# Altium PCB PCB1.PcbDoc (part 1 of 3) (continued)
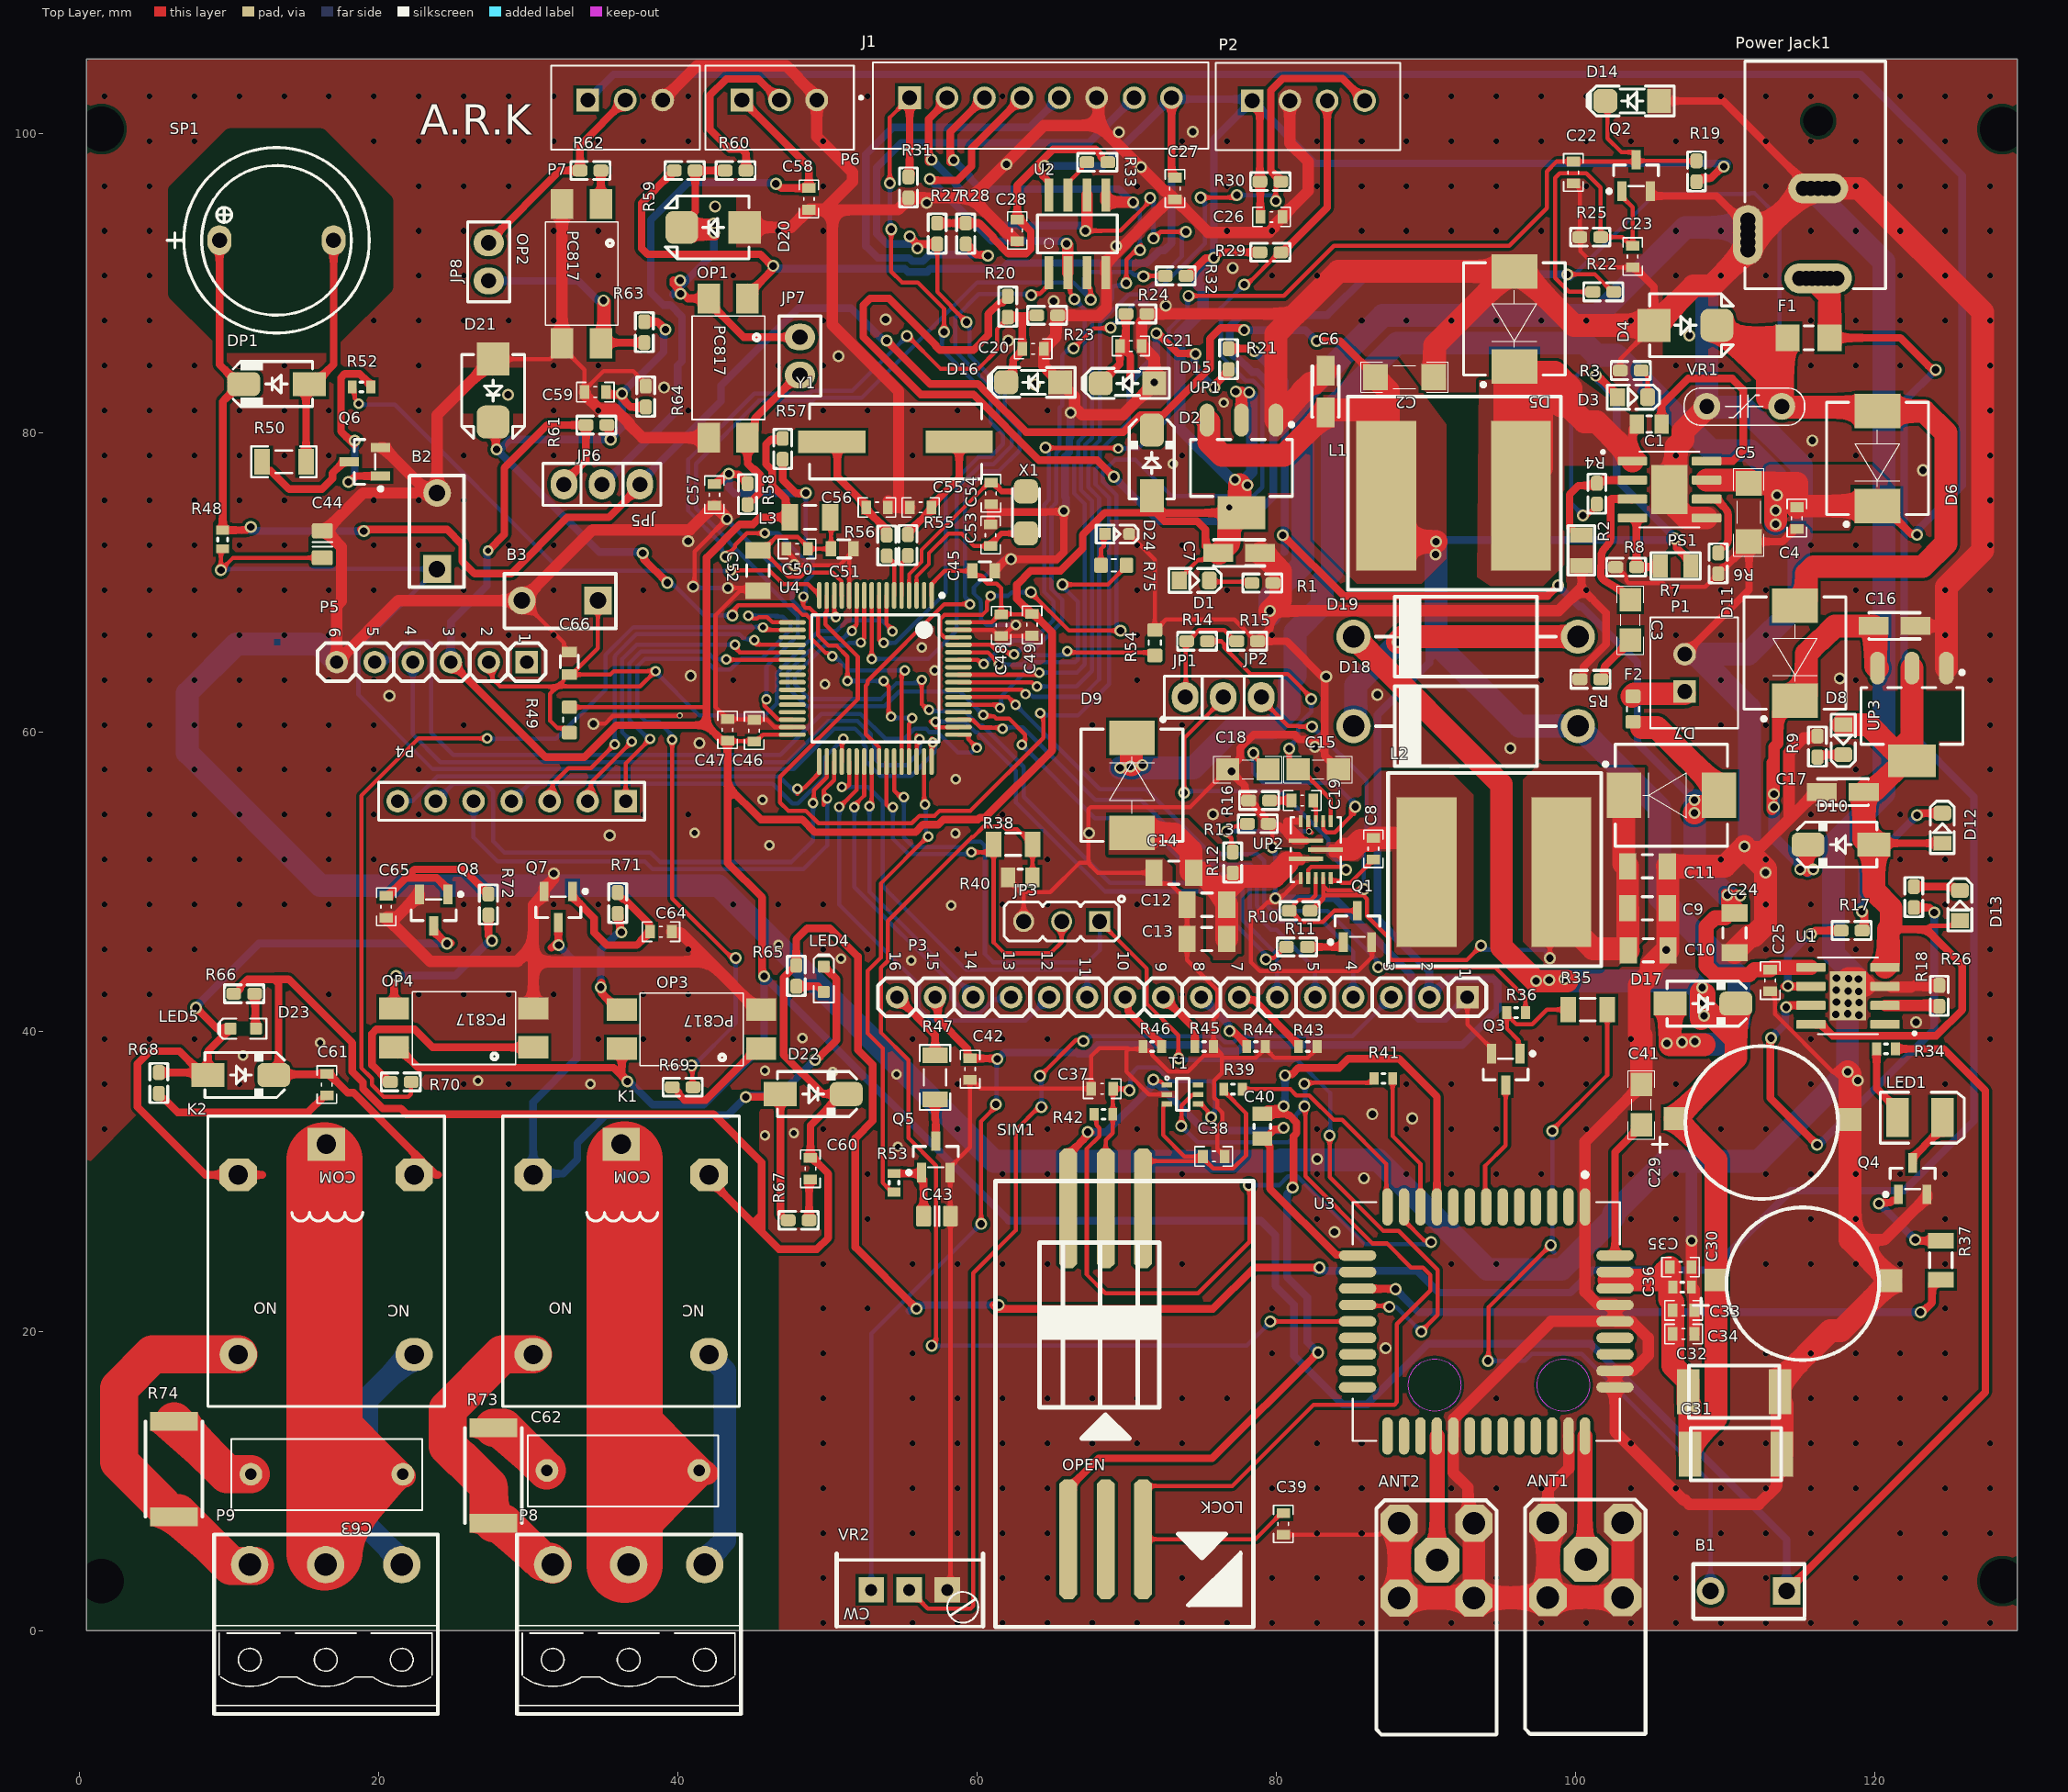
[diagram p0: Top Layer view]
## Components (designator, comment, footprint, x,y, rotation, side; value= is the part's Value field where it differs from the comment) (continued)
R32 "4K7" R0603 73.279,90.5 r180 top
R33 "4K7" R0603 68.042,98.095 r180 top
R34 "10K" "RES 0603 (1608X06L)" 120.752,38.862 r0 top
R35 "1K" "Resistor_SMD_1206 (3216)" 100.813,41.478 r180 top
R36 "10K" "RES 0603 (1608X06L)" 96.012,41.275 r180 top
R37 "4.7K" Resistor_SMD_1206 124.409,24.74 r90 top value=1K
R38 "1K" "Resistor_SMD_1206 (3216)" 62.41,52.527 r0 top
R39 "22R" "Resistor_SMD_0603 (1608)" 77.114,36.17 r180 top value=1K
R40 "5.6K" "Resistor_SMD_0805 (2012)" 62.89,50.317 r0 top value=1K
R41 "22R" "Resistor_SMD_0603 (1608)" 87.147,36.881 r180 top value=1K
R42 "22R" "Resistor_SMD_0603 (1608)" 68.453,34.493 r0 top value=1K
R43 "10K" "RES 0603 (1608X06L)" 82.093,39.014 r180 top
R44 "10K" "RES 0603 (1608X06L)" 78.63,39.014 r180 top
R45 "10K" "RES 0603 (1608X06L)" 75.167,39.014 r180 top
R46 "10K" "RES 0603 (1608X06L)" 71.73,39.014 r0 top
R47 "47R" RES1206 57.201,36.955 r90 top value=1K
R48 "10K" "RES 0603 (1608X06L)" 9.601,72.873 r270 top
R49 "1k" RESC1608X55N 32.766,60.833 r90 top value=1K
R50 "47R" RES1206 13.698,78.075 r0 top value=1K
R52 "10K" "RES 0603 (1608X06L)" 18.889,83.075 r0 top
R53 "10K" "RES 0603 (1608X06L)" 54.458,29.921 r90 top
R54 "10k" RESC1608X55N 71.882,65.989 r90 top value=1K
R55 "0R" R0603 55.385,72.517 r270 top value=1K
R56 "220R" R0603 53.975,72.492 r270 top value=1K
R57 "10K" R0603 47.015,78.943 r90 top
R58 "1K" R0603 44.667,75.922 r90 top
R59 "10K" R0603 40.473,97.539 r180 top
R60 "330R" R0603 43.873,97.539 r180 top
R61 "10K" R0603 34.573,80.539 r180 top
R62 "10K" R0603 34.173,97.539 r0 top
R63 "100K" R0603 37.773,86.739 r90 top
R64 "33K" R0603 37.873,82.439 r270 top
R65 "10K" R0603 47.93,43.739 r90 top
R66 "10K" R0603 11.035,42.545 r180 top
R67 "100R" R0603 48.082,27.407 r180 top
R68 "100R" R0603 5.334,36.576 r90 top
R69 "330R" R0603 40.335,36.297 r180 top
R70 "330R" R0603 21.503,36.652 r180 top
R71 "10K" R0603 35.992,48.604 r270 top
R72 "10K" R0603 27.356,48.5 r270 top
R73 "100R" SMD-2512-RES 27.686,10.363 r90 top
R74 "100R" SMD-2512-RES 6.35,10.782 r90 top
R75 "10k" RESC1608X55N 69.139,71.171 r180 top value=1K
SIM1 "SIM HOLDER" "SIM HOLDER 6" 66.1,28.2 r90 top
SP1 "" "BUZZER 7.62mm DC" 13.198,92.875 r0 top
T1 "TVS (SMF05)" SC70-5L 73.736,35.814 r0 top
U1 "TP4056" SOP127P600X175-9N 118.2,42.4 r180 top
U2 "W25Q16BV" SO08 66.711,93.304 r0 top
U3 "M66" XCVR_M66 94.031,20.65 r270 top
U4 "STM32F030R8T6" STM-LQFP64_N 53.213,63.602 r270 top
UP1 "3V3" SOT223 77.669,77.665 r270 top
UP2 "=VALUE" "GFN-13 (3mm*4mm)" 82.602,52.136 r180 top
UP3 "LM1117IMP-x.x" SOT223_4 122.47,61.1 r270 top
VR1 "xxDxxx" "05D XXX" 111.27,81.779 r180 top
VR2 "Multi Turn" "Multi Turn" 55.474,2.718 r180 top value=1K
X1 "32.768Khz" XTL_2_3215 63.271,74.701 r270 top
Y1 "25Mhz" "Crystal SMD" 54.559,79.426 r0 top value="12 MHz"

## Footprints (in the part's own frame and the unit in brackets; to place one, negate y for a bottom-side part, rotate by r counter-clockwise, add the part's x,y. Pads: shape width x height; smd on the part's side, far side on the other; paste and mask are expansions set on the pad)
"05D XXX" [mm] "MOV-05DxxxK Metal Oxide Varistors (MOVs) are 5 mm-Design:Abbas Basereh"
  round 1.8 hole 1: 1(2.5,0) 2(-2.5,0)
  silkscreen extent -4.03,-1.23 4.03,1.25, body extent -4.01,-1.26 3.99,1.25, height 11
8-1206 [mm] "Chip Resistor; Body 3.1 x 1.6 mm (LxW typ)"
  rect 1.6x1.8 smd: 1(-1.4,0) 2(1.4,0)
  silkscreen extent -0.3,-0.8 0.3,0.8, body extent -1.55,-0.79 1.5,0.74, height 0.6
430X270D [mm] "SMA Molded Diode, 2-Leads, Body 4.3x2.7mm"
  rect 2.2x1.6 smd: 1(-2.2,0)
  rrect50% 2.2x1.6 smd: 2(2.2,0)
  silkscreen extent -2.4,-1.5 2.9,1.5, body extent -2.75,-1.4 2.75,1.4, height 2.6
"BUZZER 7.62mm DC" [mm] "BUZZER 12mm DIA , 7.62mm pitch DESIGNER ABBAS BASEREH"
  oval 1.6x2 hole 1: 1(-3.81,0) 2(3.81,0)
  silkscreen extent -7.3,-6.2 6.2,6.2, body extent -6,-6 6,6, height 9.5
BYW98 [mil]
  round 90 hole 57: 1(-295,0) 2(295,0)
  silkscreen extent -236,-105 236,105, body extent -320,-106 321,103, height 254
CAP0603 [mm] "Chip Capacitor, 2-Leads, Body 1/60x0/80mm, IPC Medium Density DESIGNER:ABBAS BASEREH"
  rect 0.65x0.9 smd: 1(-0.725,0) 2(0.725,0)
  silkscreen extent -1.25,-0.65 1.25,0.65, body extent -0.82,-0.43 0.82,0.43, height 0.4
Cap1206_(3216X15L) [mm] "Chip Capacitor, 2-Leads, Body 3.2x1.6mm, IPC High Density"
  rect 1.15x1.75 smd: 1(-1.325,0) 2(1.325,0)
  silkscreen extent -0.35,-0.77 0.35,0.77, body extent -1.6,-0.8 1.6,0.8, height 1
"Cap - 10nF - 630V" [mil] "(Make www.tarahiboard.com)"
  round 60 hole 30: 1(0,0) 2(400,0)
  silkscreen extent -51,-95 451,93, body extent -51,-95 451,93, height 480
Cap-0603 [mm]
  rect 0.6x0.85 smd: 1(-0.622,0) 2(0.622,0)
  silkscreen extent -0.1,-0.32 0.1,0.33, body extent -0.76,-0.38 0.76,0.38, height 0.6
Cap-0805 [mm]
  rect 0.95x1.3 smd: 1(-0.825,0) 2(0.825,0)
  silkscreen extent -0.15,-0.55 0.15,0.55, body extent -1.02,-0.63 1.02,0.63, height 0.65
Cap_A [mm] "Capacitor, SM Tantalum; Body 3.2 x 1.6 mm (LxW typ) (Make www.tarahiboard.com)"
  rect 2x1.2 smd: 1(-1.4,0) 2(1.4,0)
  silkscreen extent -1.7,-0.9 1.7,0.9, body extent -1.7,-0.9 1.7,0.9, height 1.7
CAPC2012X135N [mm] "Chip Capacitor, Body 2.0x1.2mm, EIA 0805, IPC Medium Density"
  round 0.254 on Mech15: 0(0,0)
  rrect25% 1x1.4 smd: 1(-0.9,0) 2(0.9,0)
  Top Layer pour cut-out: -0.675,0.7 -0.475,0.9 0.475,0.9 0.675,0.7 0.675,-0.7 0.475,-0.9 -0.475,-0.9 -0.675,-0.7
  silkscreen extent -0.15,-0.65 0.15,0.65, body extent -1.1,-0.72 1.1,0.73, height 1.34
CAPC3413X12N [mm] "Chip Capacitor, 2-Leads, Body 3/40x1/30mm, IPC Medium Density-Design:Abbas Basereh"
  rect 1.55x1.45 smd: 1(-1.35,0) 2(1.35,0)
  silkscreen extent -2.29,-0.89 2.29,0.89, body extent -1,-0.62 1,0.63, height 0.78
CAPC4817X12N [mm] "Chip Capacitor, 2-Leads, Body 4/80x1/70mm, IPC Medium Density-Design:Abbas Basereh"
  rect 1.65x1.75 smd: 1(-1.95,0) 2(1.95,0)
  silkscreen extent -2.92,-1.02 2.92,1.02, body extent -1.6,-0.8 1.6,0.8, height 1
"Crystal SMD" [mm] "DESIGNER ABBAS BASEREH"
  rect 4.5x1.5 smd: 1(-4.25,0) 2(4.25,0)
  silkscreen extent -5.75,-2.5 5.75,2.5, body extent -6.21,-2.25 6.09,2.25, height 5.18
D_SMA [mm] "SMA Molded Diode, 2-Leads, Body 4.3x2.7mm, SOD-128 (Make www.tarahiboard.com)"
  rect 2.2x1.6 smd: 1(-2.2,0)
  rrect50% 2.2x1.6 smd: 2(2.2,0)
  silkscreen extent -2.4,-1.5 2.9,1.5, body extent -2.75,-1.4 2.75,1.4, height 2.6
D_SMB [mm] "SMB Molded Diode, 2-Leads, Body 4.3x3.5mm (Make www.tarahiboard.com)"
  rect 2.2x2.2 smd: 1(-2.1,0)
  rrect50% 2.2x2.2 smd: 2(2.1,0)
  Top Layer pour cut-out: -1.524,2.1 -1.524,-2.1 1.524,-2.1 1.524,2.1
  silkscreen extent -2.4,-2.1 3.2,2.1, body extent -2.75,-1.95 2.75,1.95, height 2.45
D_SOD80 [mm] "SOD-80 MINI-MELF 3.6X1.6mm, LL-34, LL4148 (Make www.tarahiboard.com)"
  rect 1.6x1.6 smd: 1(-1.8,0)
  rrect50% 1.6x1.6 smd: 2(1.8,0)
  Top Layer pour cut-out: -1.016,1.016 1.016,1.016 1.016,-1.016 -1.016,-1.016
  silkscreen extent -2.8,-1 3,1, body extent -1.85,-0.8 1.85,0.8, height 2
DIOM7568X24N [mm] "Molded Diode, 2-Leads, Body 7/50x6/80mm, IPC Medium Density-Design:Abbas Basereh"
  rect 2.3x3.05 smd: 1(3.175,0) 2(-3.175,0)
  silkscreen extent -4.52,-3.4 3.75,3.4, body extent -3.81,-3.17 3.81,3.05, height 2.8
"GFN-13 (3mm*4mm)" [mil]
  rect 91x12 smd paste+0 mask+0: 1(-26.93,-1.22) 7(24.25,-24.84) 8(24.25,22.4)
  rect 10x32 smd paste+0 mask+0: 2(-40.71,-76.02) 3(-21.02,-76.02) 4(-1.34,-76.02) 5(18.35,-76.02) 6(38.03,-76.02) 9(38.03,73.58) 10(18.35,73.58) 11(-1.34,73.58) 12(-21.02,73.58) 13(-40.71,73.58)
  silkscreen extent -67,-87 65,84, body extent -63,-82 60,79, height 10
HDR1X7 [mm] "Connector; Header; 7 Position"
  rect 1.5x1.5 hole 0.9: 1(0,0)
  round 1.5 hole 0.9: 2(2.54,0) 3(5.08,0) 4(7.62,0) 5(10.16,0) 6(12.7,0) 7(15.24,0)
  silkscreen extent -1.27,-1.27 16.51,1.27
HDR_1x3 [mm] "Header /Jumper box-Designer Abbas Basereh"
  rect 1.4x1.4 / inner rect 1.4x1.4 / far side rect 1.4x2.2 hole 1 mask+0.1: 1(-2.54,0)
  round 1.4 / inner round 1.4 / far side oval 1.4x2.2 hole 1 mask+0.1: 2(0,0) 3(2.54,0)
  silkscreen extent -4.2,-1.7 3.84,1.3, body extent -3.82,-1.46 3.8,1.46, height 8.61
INDC3216 [mm] "Chip Inductor, Body 3.2x1.6mm, IPC High Density"
  rect 1.1x1.8 smd: 1(-1.35,0) 2(1.35,0)
  silkscreen extent -0.4,-0.8 0.4,0.8
INDUCTOR_SMD_3A [mm]
  rect 4x10 smd: 1(4.63,-0.285) 2(-4.37,-0.285)
  silkscreen extent -6.94,-6.58 7.3,6.34, body extent -6.36,-6.39 6.14,6.11, height 7.51
JST_B8B-XH-A [mm]
  rect 1.508x1.508 / inner round 1.508 / far side rect 1.508x1.508 hole 1: 1(8.75,-0.525)
  round 1.508 hole 1: 2(6.25,-0.525) 3(3.75,-0.525) 4(1.25,-0.525) 5(-1.25,-0.525) 6(-3.75,-0.525) 7(-6.25,-0.525) 8(-8.75,-0.525)
  silkscreen extent -11.2,-2.88 12.1,2.88, body extent -11.2,-2.88 11.2,2.88, height 7
"Jumper Small - 2.54 - GRAY" [mil]
  oval 70x80 hole 40: 1(-50,0) 2(50,0)
  silkscreen extent -105,-55 105,55, body extent -100,-50 100,50, height 337
"LED SMD 0603 2 (Green)" [mm] "(Make www.tarahiboard.com)"
  rect 0.8x0.8 smd mask+0.075: 1(-0.8,0)
  rrect50% 0.8x0.8 smd mask+0.075: 2(0.8,0)
  silkscreen extent -1.4,-0.6 1.4,0.6, body extent -0.85,-0.45 0.85,0.45, height 0.9
"LED SMD 0805 (Green)" [mm] "(Make www.tarahiboard.com)"
  rect 1x1.2 smd mask+0.075: 1(-1,0)
  rrect50% 1x1.2 smd mask+0.075: 2(1,0)
  silkscreen extent -1.7,-0.8 1.8,0.8, body extent -1,-0.63 1,0.63, height 0.7
"LED SMD 0805 (Red)" [mm] "(Make www.tarahiboard.com)"
  rect 1x1.2 smd mask+0.075: 1(-1,0)
  rrect50% 1x1.2 smd mask+0.075: 2(1,0)
  silkscreen extent -1.7,-0.8 1.8,0.8, body extent -1,-0.63 1,0.63, height 0.7
LED-0603-GREEN [mm]
  round 0.254 on Mech15: 0(0,0)
  rrect25% 0.8x0.8 smd: A(-0.85,0) K(0.85,0)
  Top Layer pour cut-out: -0.5,0.5 0.5,0.5 0.5,-0.5 -0.5,-0.5
  silkscreen extent -1.55,-0.67 1.68,0.67, body extent -0.8,-0.4 0.8,0.4, height 0.75
MHDR1X06-254P [mm] "Male Header 1X06 with 2.54 mm Pitch"
  rect 1.5x1.5 hole 0.9: 1(0,0)
  round 1.5 hole 0.9: 2(2.54,0) 3(5.08,0) 4(7.62,0) 5(10.16,0) 6(12.7,0)
  silkscreen extent -1.27,-1.27 13.97,1.27, body extent -1.27,-1.27 13.97,1.27, height 8.43
MHDR1X16-254P [mm] "Male Header 1X16 with 2.54 mm Pitch"
  rect 1.5x1.5 hole 0.9: 1(0,0)
  round 1.5 hole 0.9: 2(2.54,0) 3(5.08,0) 4(7.62,0) 5(10.16,0) 6(12.7,0) 7(15.24,0) 8(17.78,0) 9(20.32,0) 10(22.86,0) 11(25.4,0) 12(27.94,0) 13(30.48,0) 14(33.02,0) 15(35.56,0) 16(38.1,0)
  silkscreen extent -1.27,-1.27 39.37,1.27, body extent -1.27,-1.27 39.37,1.27, height 8.43
"Multi Turn" [mm]
  rect 1.7x1.7 hole 0.8: 1(-2.54,0) 2(2.54,0) 3(0,0)
  silkscreen extent -4.94,-2.4 4.86,2.45, body extent -4.6,-2.41 4.6,2.39, height 11.96
"MY_Cap1000u -smd" [mil]
  rect 60x60 smd: +(322.83,-1.97) -(-137.8,0)
  silkscreen extent -106,-193 383,209, body extent -130,-201 327,205, height 402
MY_CAP_SMD-C [mm] "3.5X6"
  rect 1.5x3 smd: +(-2.8,0.1) -(3.35,0.1)
  silkscreen extent -2.75,-1.65 3.3,1.85, body extent -2.6,-1.5 3.2,1.7, height 2.6
MY_CAP_SMD_0603 [mm]
  rect 0.7x1 smd: 1(-0.75,0) 2(0.75,0)
  silkscreen extent -0.55,-0.6 0.3,0.6, body extent -1.29,-0.52 1.31,0.48, height 0.89
MY_CAP_SMD_1206 [mm]
  rect 1.1x1.7 smd: 1(-1.35,0) 2(1.35,0)
  silkscreen extent -0.4,-0.75 0.4,0.75, body extent -1.52,-0.76 1.68,0.84, height 1.2
MY_LED_SMD [mm]
  rect 1.5x2.6 smd: 1(-1.5,0) 2(1.5,0)
  silkscreen extent -2.65,-1.7 2.95,1.7, body extent -1.51,-0.8 1.71,0.8, height 1.1
MY_SIM20_ANT [mm]
  oct 2.5x2.5 hole 1.5: 1(-2.473,-2.533) 1(-2.473,2.467) 1(2.527,-2.533) 1(2.527,2.467)
  oct 3x3 hole 1.5: 2(0.067,0.007)
  silkscreen extent -4,-11.65 4.05,4, body extent -3.6,-11.55 3.4,3.55, height 9.86
MY_SPST-0.5 [mm]
  rect 1.85x1.85 hole 1.1: 1(-2.54,0)
  round 1.85 hole 1.1: 2(2.54,0)
  silkscreen extent -3.75,-1.8 3.7,1.85, body extent -3.6,-1.8 3.6,1.7, height 5
"PC817 SMD" [mm] "(Make www.tarahiboard.com)"
  rect 2x1.5 smd: 1(-4.65,1.3) 2(-4.65,-1.3) 3(4.65,-1.3) 4(4.65,1.3)
  silkscreen extent -3.47,-2.41 3.43,2.44, body extent -5,-2.29 5,2.29, height 3.85
"Power Jack." [mm]
  round 1.5 hole 1: 1(10.484,-1.303) 1(10.484,-0.853) 1(10.484,-0.453) 1(10.484,0.347) 1(10.484,0.747) 1(10.484,1.197) 2(4.484,-1.053) 2(4.484,0.947) 2(4.484,-0.553) 2(4.484,0.447) 3(6.584,-4.753) 3(7.084,-4.753) 3(8.084,-4.753) 3(8.584,-4.753)
  oval 2x4.5 hole 1: 1(10.484,-0.053)
  oval 2x4 hole 1: 2(4.484,-0.053)
  oval 4x2 hole 1: 3(7.584,-4.753)
  round 1.9 hole 2: MH(-0.016,-0.053)
  silkscreen extent -4.02,-4.95 11.18,4.45, body extent -4.02,-4.95 11.18,4.45, height 11
PRKR3A [mm] "(Make www.tarahiboard.com)"
  round 2.5 hole 1.5: 1(0,-5.08) 2(0,0) 3(0,5.08)
  silkscreen extent -2.03,-7.46 9.97,7.5, body extent -2.03,-7.5 9.97,7.5, height 8.67
R0603 [mm] "CHIP Resistor 1/10 WATT, 1.6x0.8mm, 0603, 1608 (Make www.tarahiboard.com)"
  rrect50% 1x0.8 smd mask+0.05: 1(-0.7,0) 2(0.7,0)
  silkscreen extent -1.32,-0.6 1.32,0.6, body extent -0.85,-0.4 0.85,0.4, height 0.56
"Relay 18.85x15.35x15.70" [mm] "DESIGNER ABBAS BASEREH"
  rect 2.5x2.2 hole 1.3: 1(0,-7.025)
  oval 2.5x2.2 hole 1.3: 2(-5.875,7.025) 3(5.875,7.025)
  oct 2.5x2.2 hole 1.3: 4(-5.875,-4.975) 5(5.875,-4.975)
  silkscreen extent -7.9,-8.9 7.9,10.5, body extent -7.75,-8.7 7.75,10.3, height 15.6
RES1206 [mm] "Chip Resistor, 2-Leads, Body 3/20x1/60mm, IPC Medium Density DESIGNER:ABBAS BASEREH"
  rect 1.05x1.7 smd: 1(-1.475,0) 2(1.475,0)
  silkscreen extent -2.17,-1.02 2.17,1.02, body extent -1.65,-0.85 1.65,0.85, height 0.94
"RES 0603 (1608X06L)" [mm] "Chip Resistor, 2-Leads, Body 1.6x0.8mm, IPC High Density _ (0.063W)"
  rect 0.6x0.85 smd: 1(-0.635,0) 2(0.609,0)
  silkscreen extent -0.11,-0.33 0.09,0.33, body extent -0.77,-0.38 0.75,0.38, height 0.45
RESC1608X55N [mm] "Chip Resistor, Body 1.6x0.8mm, EIA 0603, IPC Medium Density"
  round 0.254 on Mech15: 0(0,0)
  rrect25% 0.9x1 smd: 1(-0.85,0) 2(0.85,0)
  Top Layer pour cut-out: -0.6,0.5 -0.4,0.7 0.4,0.7 0.6,0.5 0.6,-0.5 0.4,-0.7 -0.4,-0.7 -0.6,-0.5
  silkscreen extent -0.15,-0.41 0.15,0.41, body extent -0.87,-0.47 0.88,0.48, height 0.54
"Resistor_SMD_0603 (1608)" [mm]
  rect 0.6x0.85 smd: 1(-0.622,0) 2(0.622,0)
  silkscreen extent -0.1,-0.32 0.1,0.33, body extent -0.76,-0.38 0.76,0.38, height 0.45
"Resistor_SMD_0805 (2012)" [mm]
  rect 0.95x1.3 smd: 1(-0.825,0) 2(0.825,0)
  silkscreen extent -0.15,-0.55 0.15,0.55, body extent -1,-0.62 1,0.63, height 0.45
Resistor_SMD_1206 [mm]
  rect 1.05x1.7 smd: 1(-1.298,0) 2(1.298,0)
  silkscreen extent -0.5,-0.75 0.5,0.75, body extent -1.52,-0.76 1.52,0.76, height 0.6
"Resistor_SMD_1206 (3216)" [mm]
  rect 1.05x1.7 smd: 1(-1.298,0) 2(1.298,0)
  silkscreen extent -0.5,-0.75 0.5,0.75, body extent -1.6,-0.8 1.6,0.8, height 0.55
SC70-5L [mm]
  rect 0.7x0.35 smd: 1(-1.041,0.635) 2(-1.041,0) 3(-1.041,-0.635) 4(1.041,-0.635) 5(1.041,0) 6(1.041,0.635)
  silkscreen extent -1.16,-1.07 0.43,1.22, body extent -0.71,-0.99 0.76,1.04, height 1.45
"SIM HOLDER 6" [mm]
  oct 8x1.2 smd: 1(0,0) 2(0,-2.5) 3(0,-5) 4(-22.1,0) 5(-22.1,-2.5) 6(-22.1,-5)
  silkscreen extent -27.96,-12.36 1.84,4.86, body extent -27.91,-12.36 1.79,4.84, height 2.35
SMD-0805-RES [mil] "(Make www.tarahiboard.com)"
  rect 60x40 smd: 1(0,40) 2(0,-40)
  silkscreen extent -35,-65 35,65, body extent -24,-39 26,39, height 31
SMD-2512-RES [mil] "(Make www.tarahiboard.com)"
  rect 49x125 smd: 1(-125.5,0) 2(125.5,0)
  silkscreen extent -125,-75 125,75, body extent -125,-59 125,59, height 63
SO08 [mm] "(Make www.tarahiboard.com)"
  rect 0.6x2.2 smd: 1(-1.905,-2.6) 2(-0.635,-2.6) 3(0.635,-2.6) 4(1.905,-2.6) 5(1.905,2.6) 6(0.635,2.6) 7(-0.635,2.6) 8(-1.905,2.6)
  silkscreen extent -2.67,-1.27 2.67,1.27, body extent -2.45,-3 2.45,3, height 1.7
SOIC127P600X170-9N [mm]
  rrect25% 1.97x0.6 smd: 1(-2.475,1.905) 2(-2.475,0.635) 3(-2.475,-0.635) 4(-2.475,-1.905) 5(2.475,-1.905) 6(2.475,-0.635) 7(2.475,0.635) 8(2.475,1.905)
  rect 2.41x3.3 smd paste-3: 9(0,0)
  silkscreen extent -4.54,-2.52 2,2.6, body extent -3,-2.45 3,2.45, height 1.7
SOP127P600X175-9N [mm]
  rrect25% 1.97x0.6 smd: 1(-2.475,1.905) 2(-2.475,0.635) 3(-2.475,-0.635) 4(-2.475,-1.905) 5(2.475,-1.905) 6(2.475,-0.635) 7(2.475,0.635) 8(2.475,1.905)
  rect 2.413x3.302 smd paste-3: 9(0,0)
  silkscreen extent -4.54,-2.55 2,2.6, body extent -3,-2.45 3,2.45, height 1.75
SOT23_N [mm] "SOT23, 3-Leads, Body 2.9x1.3mm, Pitch 0.95mm, Lead Span 2.3mm, IPC Medium Density"
  rect 1.3x0.6 smd: 1(-1.05,0.95) 2(-1.05,-0.95) 3(1.05,0)
  silkscreen extent -1.17,-1.5 0.7,1.92, body extent -1.27,-1.5 1.27,1.5, height 1.1
SOT223 [mm] "SOT223, 4-Leads, Body 6.5x3.5mm, Pitch 2.30mm-Designer Abbas Basereh"
  oval 2.2x1 smd: 1(-3.2,2.3) 2(-3.2,0) 3(-3.2,-2.3)
  rect 2.2x3.2 smd: 4(3,0)
  Top Layer pour cut-out: -1.7,3.556 1.7,3.556 1.7,-3.556 -1.7,-3.556
  silkscreen extent -3.02,-3.4 1.9,3.48, body extent -3.5,-3.25 3.5,3.25, height 1.7
SOT223_4 [mm] "SOT223, 4-Leads, Body 6.5x3.5mm, Pitch 2.30mm-Designer Abbas Basereh"
  oval 2.2x1 smd: 1(-3.2,2.3) 2(-3.2,0) 3(-3.2,-2.3)
  rect 2.2x3.2 smd: 4(3,0)
  Top Layer pour cut-out: -1.7,3.556 1.7,3.556 1.7,-3.556 -1.7,-3.556
  silkscreen extent -3.02,-3.4 1.9,3.48, body extent -3.5,-3.25 3.5,3.25, height 1.7
STM-LQFP64_N [mm] "Thin QFP, 64-Leads, Body 10x10mm, Pitch 0.5mm, IPC Medium Density (Make www.tarahiboard.com)"
  oval 1.8x0.3 smd: 1(-5.55,3.75) 2(-5.55,3.25) 3(-5.55,2.75) 4(-5.55,2.25) 5(-5.55,1.75) 6(-5.55,1.25) 7(-5.55,0.75) 8(-5.55,0.25) 9(-5.55,-0.25) 10(-5.55,-0.75) 11(-5.55,-1.25) 12(-5.55,-1.75) 13(-5.55,-2.25) 14(-5.55,-2.75) 15(-5.55,-3.25) 16(-5.55,-3.75) 33(5.55,-3.75) 34(5.55,-3.25) 35(5.55,-2.75) 36(5.55,-2.25) 37(5.55,-1.75) 38(5.55,-1.25) 39(5.55,-0.75) 40(5.55,-0.25) 41(5.55,0.25) 42(5.55,0.75) 43(5.55,1.25) 44(5.55,1.75) 45(5.55,2.25) 46(5.55,2.75) 47(5.55,3.25) 48(5.55,3.75)
  oval 0.3x1.8 smd: 17(-3.75,-5.55) 18(-3.25,-5.55) 19(-2.75,-5.55) 20(-2.25,-5.55) 21(-1.75,-5.55) 22(-1.25,-5.55) 23(-0.75,-5.55) 24(-0.25,-5.55) 25(0.25,-5.55) 26(0.75,-5.55) 27(1.25,-5.55) 28(1.75,-5.55) 29(2.25,-5.55) 30(2.75,-5.55) 31(3.25,-5.55) 32(3.75,-5.55) 49(3.75,5.55) 50(3.25,5.55) 51(2.75,5.55) 52(2.25,5.55) 53(1.75,5.55) 54(1.25,5.55) 55(0.75,5.55) 56(0.25,5.55) 57(-0.25,5.55) 58(-0.75,5.55) 59(-1.25,5.55) 60(-1.75,5.55) 61(-2.25,5.55) 62(-2.75,5.55) 63(-3.25,5.55) 64(-3.75,5.55)
  silkscreen extent -5.67,-4.25 4.25,4.58, body extent -6,-6 6,6, height 1.6
XCVR_M66 [mm]
  oval 2.5x0.7 smd paste-2: 1(-7.65,6.6) 2(-7.65,5.5) 3(-7.65,4.4) 4(-7.65,3.3) 5(-7.65,2.2) 6(-7.65,1.1) 7(-7.65,0) 8(-7.65,-1.1) 9(-7.65,-2.2) 10(-7.65,-3.3) 11(-7.65,-4.4) 12(-7.65,-5.5) 13(-7.65,-6.6) 23(7.65,-6.6) 24(7.65,-5.5) 25(7.65,-4.4) 26(7.65,-3.3) 27(7.65,-2.2) 28(7.65,-1.1) 29(7.65,0) 30(7.65,1.1) 31(7.65,2.2) 32(7.65,3.3) 33(7.65,4.4) 34(7.65,5.5) 35(7.65,6.6)
  oval 0.7x2.5 smd paste-2: 14(-4.4,-8.6) 15(-3.3,-8.6) 16(-2.2,-8.6) 17(-1.1,-8.6) 18(0,-8.6) 19(1.1,-8.6) 20(2.2,-8.6) 21(3.3,-8.6) 22(4.4,-8.6) 36(4.4,8.6) 37(3.3,8.6) 38(2.2,8.6) 39(1.1,8.6) 40(0,8.6) 41(-1.1,8.6) 42(-2.2,8.6) 43(-3.3,8.6) 44(-4.4,8.6)
  Keep-Out Layer region: 4.342,6.898 4.433,6.89 4.524,6.878 4.614,6.862 4.703,6.84 4.791,6.814 4.877,6.784 4.962,6.749 5.044,6.709 5.125,6.666 5.203,6.618 5.279,6.566 5.351,6.51 5.421,6.451 5.487,6.387 5.551,6.321 5.61,6.251 5.666,6.179 5.718,6.103 5.766,6.025 5.809,5.944 5.849,5.862 5.884,5.777 5.914,5.691 5.94,5.603 5.962,5.514 5.978,5.424 5.99,5.333 5.998,5.242 6,5.15 5.998,5.058 5.99,4.967 5.978,4.876 5.962,4.786 5.94,4.697 5.914,4.609 5.884,4.523 5.849,4.438 5.809,4.356 5.766,4.275 5.718,4.197 5.666,4.121 5.61,4.049 5.551,3.979 5.487,3.913 5.421,3.849 5.351,3.79 5.279,3.734 5.203,3.682 5.125,3.634 5.044,3.591 4.962,3.551 4.877,3.516 4.791,3.486 4.703,3.46 4.614,3.438 4.524,3.422 4.433,3.41 4.342,3.402 4.25,3.4 4.158,3.402 4.067,3.41 3.976,3.422 3.886,3.438 3.797,3.46 3.709,3.486 3.623,3.516 3.538,3.551 3.456,3.591 3.375,3.634 3.297,3.682 3.221,3.734 3.149,3.79 3.079,3.849 3.013,3.913 2.949,3.979 2.89,4.049 2.834,4.121 2.782,4.197 2.734,4.275 2.691,4.356 2.651,4.438 2.616,4.523 2.586,4.609 2.56,4.697 2.538,4.786 2.522,4.876 2.51,4.967 2.502,5.058 2.5,5.15 2.502,5.242 2.51,5.333 2.522,5.424 2.538,5.514 2.56,5.603 2.586,5.691 2.616,5.777 2.651,5.862 2.691,5.944 2.734,6.025 2.782,6.103 2.834,6.179 2.89,6.251 2.949,6.321 3.013,6.387 3.079,6.451 3.149,6.51 3.221,6.566 3.297,6.618 3.375,6.666 3.456,6.709 3.538,6.749 3.623,6.784 3.709,6.814 3.797,6.84 3.886,6.862 3.976,6.878 4.067,6.89 4.158,6.898 4.25,6.9
  Keep-Out Layer region: 4.342,-1.702 4.433,-1.71 4.524,-1.722 4.614,-1.738 4.703,-1.76 4.791,-1.786 4.877,-1.816 4.962,-1.851 5.044,-1.891 5.125,-1.934 5.203,-1.982 5.279,-2.034 5.351,-2.09 5.421,-2.149 5.487,-2.213 5.551,-2.279 5.61,-2.349 5.666,-2.421 5.718,-2.497 5.766,-2.575 5.809,-2.656 5.849,-2.738 5.884,-2.823 5.914,-2.909 5.94,-2.997 5.962,-3.086 5.978,-3.176 5.99,-3.267 5.998,-3.358 6,-3.45 5.998,-3.542 5.99,-3.633 5.978,-3.724 5.962,-3.814 5.94,-3.903 5.914,-3.991 5.884,-4.077 5.849,-4.162 5.809,-4.244 5.766,-4.325 5.718,-4.403 5.666,-4.479 5.61,-4.551 5.551,-4.621 5.487,-4.687 5.421,-4.751 5.351,-4.81 5.279,-4.866 5.203,-4.918 5.125,-4.966 5.044,-5.009 4.962,-5.049 4.877,-5.084 4.791,-5.114 4.703,-5.14 4.614,-5.162 4.524,-5.178 4.433,-5.19 4.342,-5.198 4.25,-5.2 4.158,-5.198 4.067,-5.19 3.976,-5.178 3.886,-5.162 3.797,-5.14 3.709,-5.114 3.623,-5.084 3.538,-5.049 3.456,-5.009 3.375,-4.966 3.297,-4.918 3.221,-4.866 3.149,-4.81 3.079,-4.751 3.013,-4.687 2.949,-4.621 2.89,-4.551 2.834,-4.479 2.782,-4.403 2.734,-4.325 2.691,-4.244 2.651,-4.162 2.616,-4.077 2.586,-3.991 2.56,-3.903 2.538,-3.814 2.522,-3.724 2.51,-3.633 2.502,-3.542 2.5,-3.45 2.502,-3.358 2.51,-3.267 2.522,-3.176 2.538,-3.086 2.56,-2.997 2.586,-2.909 2.616,-2.823 2.651,-2.738 2.691,-2.656 2.734,-2.575 2.782,-2.497 2.834,-2.421 2.89,-2.349 2.949,-2.279 3.013,-2.213 3.079,-2.149 3.149,-2.09 3.221,-2.034 3.297,-1.982 3.375,-1.934 3.456,-1.891 3.538,-1.851 3.623,-1.816 3.709,-1.786 3.797,-1.76 3.886,-1.738 3.976,-1.722 4.067,-1.71 4.158,-1.702 4.25,-1.7
  silkscreen extent -9.95,-8.93 7.98,8.93, body extent -7.9,-8.85 7.9,8.85, height 2.5
"XH 2 PIN ( White )" [mm] "(Make www.tarahiboard.com)"
  rect 1.508x1.508 hole 1: 1(-1.25,0)
  round 1.508 hole 1: 2(1.25,0)
  silkscreen extent -3.7,-3.56 3.7,2.29, body extent -3.7,-3.56 3.7,2.24, height 7
"XH 3 PIN" [mm] "(Make www.tarahiboard.com)"
  rect 1.508x1.508 hole 1: 1(-1.25,0)
  round 1.508 hole 1: 2(1.25,0) 3(3.75,0)
  silkscreen extent -3.7,-3.3 6.22,2.29, body extent -3.68,-3.3 6.22,2.8, height 7.24
"XH 4 PIN" [mm] "(Make www.tarahiboard.com)"
  rect 1.508x1.508 hole 1: 1(-1.25,0)
  round 1.508 hole 1: 2(1.25,0) 3(3.75,0) 4(6.25,0)
  silkscreen extent -3.7,-3.3 8.64,2.54, body extent -3.55,-3.35 8.63,2.49, height 7.21
XTL_2_3215 [mm] "ABS07 3.2x1.5mm (Make www.tarahiboard.com)"
  rrect50% 1.6x1.6 smd mask+0.075: 1(-1.4,0) 2(1.4,0)
  Top Layer pour cut-out: -1.4,0.8 -1.4,-0.8 1.4,-0.8 1.4,0.8
  silkscreen extent -1.6,-0.9 1.6,0.9, body extent -1.61,-0.76 1.61,0.76, height 0.91

## Part data
ANT1 ANT2: "ANT"
B1 B2 B3: library part "PUSH BUTTON_SMALL"
C1 C36 C40: library part Capacitor., "Capacitor", LatestRevisionDate=17-Jul-2002, LatestRevisionNote="Re-released for DXP Platform.", Publisher="Altium Limited"
C2 C5: library part "CAP SMD 1206", "CAP 1206", Data=16-12-2016, Desc.="CAP SMD 1206", Designer="Abbas Basereh"
C3 C15 C18 C41: library part "CAP SMD 0805", "CAP 0805", Data=16-12-2016, Desc.="CAP SMD 0805", Designer="Abbas Basereh"
C4 C8 C9 C10 C11 C12 C13 C14 C19 C20 C21 C22 C23 C24 C25 C26 C27 C28 C33 C34 C35 C37 C38 C39 C42 C46 C47 C48 C49 C50 C53 C54 C55 C56 C57 C58 C59 C60 C61 C64 C65: library part "CAP SMD PACKAGE", "TOTAL CAPACITOR SMD PACK", Data=2017-3-10, Desc.="CAP SMD TOTAL PACKAGES", Designer="Abbas Basereh"
C6 C7 C16 C17: library part "Capacitor Tantalum SMD", "Capacitor Tantalum SMD", ComponentLink1Description="Website Smart World", ComponentLink1URL=https://www.smartw.ir/, ComponentLink2Description=Telegram, ComponentLink2URL=https://t.me/altium_smartw, ComponentLink3Description=Instagram, ComponentLink3URL=https://Instagram.com/smartgw.ir, DatasheetVersion=2021
C29 C30: library part "cap_smd_1000u_smd G", "aluminium"
C31 C32: library part CAP_TANTAL_C, "6X3.2MM"
C43 C44: library part CAPC_100n_0805_X7R_50V_10%, "Capacitor SMD Cer 100nF 10% 50V X7R 0805", Manufacturer 1=Kemet, Manufacturer Part Number 1=C0805C104K5RACTU, Package / Case="0805 (2012 metric)", Ratings="50V; X7R", Supplier Part Number 1=399-1170-1-ND, Tolerance=±10%, Material=ceramic, SCDType=undef, Supplier 1=Digi-Key
C45 C51 C66: library part "CAP SMD_0603", "1.6 mm × 0.8 mm"
C52: library part "CAP SMD_1206", "3.2 mm × 1.6 mm"
C62 C63: library part "Capacitor Polyester THD", "Capacitor Polyester THD", ComponentLink1Description="Website Smart World", ComponentLink1URL=https://www.smartw.ir/, ComponentLink2Description=Telegram, ComponentLink2URL=https://t.me/altium_smartw, ComponentLink3Description=Instagram, ComponentLink3URL=https://Instagram.com/smartgw.ir, DatasheetVersion=2021
D1 D3 D8 D12 D13: library part "LED SMD 0805", "LED SMD 0805", ComponentLink1Description="Website Smart World", ComponentLink1URL=https://www.smartw.ir/, ComponentLink2Description=Telegram, ComponentLink2URL=https://t.me/altium_smartw, ComponentLink3Description=Instagram, ComponentLink3URL=https://Instagram.com/smartgw.ir, DatasheetVersion=2021
D2 D10 D22 D23: library part "1N4007 SMD M7", "DIODE, GENERAL PURPOSE, 1000V/1A", ComponentLink1Description="Website Smart World", ComponentLink1URL=https://www.smartw.ir/, ComponentLink2Description=Telegram, ComponentLink2URL=https://t.me/altium_smartw, ComponentLink3Description=Instagram, ComponentLink3URL=https://Instagram.com/smartgw.ir, DatasheetVersion=2021
D4 D20 D21: "TVS Surface Mount Transient Voltage Suppressors Diode", ComponentLink1Description=Tarahiboard, ComponentLink1URL=https://www.tarahiboard.com/product/library-pack, DatasheetVersion=2022
D5 D6 D7 D9 D11: library part "1n5822 SMD", "Schottky Rectifiers", Manufacturer="ON Semiconductor/Fairchild", Data=16-12-2016, Designer="Abbas Basereh", Link=https://www.aliexpress.com/item/Free-shipping-100pcs-1n5822-sma-smd-do-214ac-Schottky-diode-ss34/32337482329.html?spm=2114.01010208.3.1.zLZDsP&ws_ab_test=searchweb0_0,searchweb201602_4_10065_10068_10084_10083_10080_10082_10081_10060_10061_10062_10056_10055_10054_10059_10099_10078_10079_427_10073_10103_10102_10096_10052_10050_10051,searchweb201603_4&btsid=6e50dc92-ac69-45bc-a19e-209af19ce602, Part. No=SS34
D14 D15 D16: library part "1N4148 SMD", "DIODE, FAST SWTICHING, 0.3A, 0.5W"
D17: "DIODE, GENERAL PURPOSE, 1000V/1A", ComponentLink1Description="Website Smart World", ComponentLink1URL=https://www.smartw.ir/, ComponentLink2Description=Telegram, ComponentLink2URL=https://t.me/altium_smartw, ComponentLink3Description=Instagram, ComponentLink3URL=https://Instagram.com/smartgw.ir, DatasheetVersion=2021
D18 D19: "Diode, , 20 - 40V, 3.0 A", ComponentLink1Description=Tarahiboard, ComponentLink1URL=https://www.tarahiboard.com/product/library-pack, DatasheetVersion=2022
DP1: "Schottkey Rectifiers", Data=16-12-2016, Designer="Abbas Basereh"
F1: "SMD FUSE"
F2: library part FUSE_160mA_0603, "Fuse 3A 63VDC 0603 SMD", Manufacturer 1="Holly Fuse", Manufacturer Part Number 1=06T-0160L, Package / Case="0603 (1608 metric)", Ratings="160mA; 63VDC; slow-blow", SCDType=spec
J1: "Connector Header Through Hole 8 position 0.098 (2.50mm)", Package=None, Check_prices=https://www.snapeda.com/parts/B8B-XH-A/JST/view-part/?ref=eda, MF=JST, MP=B8B-XH-A, SnapEDA_Link=https://www.snapeda.com/parts/B8B-XH-A/JST/view-part/?ref=snap
JP3: library part "Header 1x3", "header or jumper box"
K1 K2: library part Relay_SPDT, "Single-Pole Dual-Throw Relay", ComponentLink1Description=Datasheet, Designer="Abbas Basereh", Mounting Technology=Through-Hole, Pin Count=0, Update Date=2017-3-1
L1 L2: library part INDUCTOR_SMD_3A
L3: library part Inductor, "Inductor", Code_IEC=1005, Code_JEITA=0402, LatestRevisionDate=29-May-2009, LatestRevisionNote="IPC-7351 Footprint Added.", PackageDescription="Chip Inductor", PackageReference=0402-A, Published=8-Jun-2000, Publisher="Altium Limited"
LED4 LED5: library part LED_SMD_Green_0603_570nm, "LED 0603 SMD Green 570nm 50mcd 20mA", Current - Test=20mA, Manufacturer 1="Kingbright Company LLC", Manufacturer Part Number 1=APT1608CGCK, Package / Case="0603 (1608 metric)", Ratings="20mcd min; 50 mcd typ; 570 nm", Supplier Part Number 1=754-1116-1-ND, Voltage - Forward (Vf) @ 10mA=2.0V, Voltage - Forward (Vf) Typ=2.1V, Color=Green, ComponentLink1Description=http://www.us.kingbright.com/images/catalog/SPEC/APT1608CGCK.pdf, ComponentLink1URL=http://www.us.kingbright.com/images/catalog/SPEC/APT1608CGCK.pdf, Lens Style/Size="Rectangle with Flat Top, 1.1mm x 0.8mm", Lens Type=Clear, Material=AlGaInP, RoHS 1="RoHS Compliant", SCDType=source, Supplier 1=Digi-Key, Viewing Angle=120°, Wavelength - Dominant=570nm, Wavelength - Peak=574nm
OP1 OP2 OP3 OP4: "PC817 optocpler", ComponentLink2Description="Website Smart World", ComponentLink2URL=https://www.smartw.ir/, ComponentLink3Description=Telegram, ComponentLink3URL=https://t.me/altium_smartw, ComponentLink4Description=Instagram, ComponentLink4URL=https://Instagram.com/smartgw.ir, DatasheetVersion=2021
P1: library part "Conector XH 2 Pin", "Conector XH 2 Pin", ComponentLink1Description=Tarahiboard, ComponentLink1URL=https://www.tarahiboard.com/product/library-pack, DatasheetVersion=2022
P2: library part "Conector XH 4 Pin", "Conector XH 4 Pin", ComponentLink1Description=Tarahiboard, ComponentLink1URL=https://www.tarahiboard.com/product/library-pack, DatasheetVersion=2022
P3: "Male Header 1X16"
P4: "Header, 7-Pin", LatestRevisionDate=17-Jul-2002, LatestRevisionNote="Re-released for DXP Platform.", Publisher="Altium Limited"
P5: "Male Header 1X06"
P6 P7: library part "Conector XH 3 Pin", "Conector XH 3 Pin", ComponentLink1Description=Tarahiboard, ComponentLink1URL=https://www.tarahiboard.com/product/library-pack, DatasheetVersion=2022
PS1: library part MP4560DN-LF, "Power Supply", Manufacturer_Name="Monolithic Power Systems (MPS)", Datasheet Link=http://uk.rs-online.com/web/p/products/9175759, Height=1.7mm, Manufacturer_Part_Number=MP4462DN, Mouser Part Number=MP4462DN, Mouser Price/Stock=https://www.mouser.com/Search/Refine.aspx?Keyword=946-MP4560DNLF
Q1 Q2: library part C945, "NPN Silicon Epitaxial Planar Transistor", ComponentLink1Description="Manufacturer Link", ComponentLink1URL=http://www.taitroncomponents.com/, ComponentLink2Description=Datasheet, ComponentLink2URL=http://www.taitroncomponents.com/, DatasheetVersion=2017, LatestRevisionDate=2017, LatestRevisionNote="IPC-7351 Footprint Added.", PackageDescription="3-Pin SOT-23 Package 0.95 mm Pitch, 2.3 mm Lead Span", PackageReference=SOT23, PackageVersion=2017-2-8, Published=2017-2-8, Publisher="Abbas Basereh"
Q3 Q4 Q5 Q6 Q7 Q8: "NPN Silicon Epitaxial Planar Transistor", ComponentLink1Description="Manufacturer Link", ComponentLink1URL=http://www.taitroncomponents.com/, ComponentLink2Description=Datasheet, ComponentLink2URL=http://www.taitroncomponents.com/, DatasheetVersion=2017, LatestRevisionDate=2017, LatestRevisionNote="IPC-7351 Footprint Added.", PackageDescription="3-Pin SOT-23 Package 0.95 mm Pitch, 2.3 mm Lead Span", PackageReference=SOT23, PackageVersion=2017-2-8, Published=2017-2-8, Publisher="Abbas Basereh"
R1 R3 R4 R5 R8 R9 R10 R11 R12 R13 R14 R15 R16 R17 R18 R19 R20 R21 R22 R23 R24 R25 R26 R27 R28 R29 R30 R31 R32 R33 R55 R56 R57 R58 R59 R60 R61 R62 R63 R64 R65 R66 R67 R68 R69 R70 R71 R72: library part "Resistor SMD 0603", "Resistor SMD 0603"
  R4 R5 R8 R12 R13 R14 R15 R16 R57 R58 R59 R60 R61 R62 R63 R64: DatasheetVersion=2021
  R27 R28 R29 R30 R31 R32 R33 R55 R56 R67 R68 R69 R70 R71 R72: ComponentLink1Description="Website Smart World", ComponentLink1URL=https://www.smartw.ir/, ComponentLink2Description=Telegram, ComponentLink2URL=https://t.me/altium_smartw, ComponentLink3Description=Instagram, ComponentLink3URL=https://Instagram.com/smartgw.ir, DatasheetVersion=2021
R2 R7: library part "Resistor SMD 0805", "Resistor SMD 0805", ComponentLink1Description="Website Smart World", ComponentLink1URL=https://www.smartw.ir/, ComponentLink2Description=Telegram, ComponentLink2URL=https://t.me/altium_smartw, ComponentLink3Description=Instagram, ComponentLink3URL=https://Instagram.com/smartgw.ir, DatasheetVersion=2021
R6: library part "Resistor SMD 0603", DatasheetVersion=2021
R34 R36 R43 R44 R45 R46 R48 R52 R53: library part Resistor, "Resistor", Power="1/4 W", Tolerance=5%
R35 R38 R39 R40 R41 R42: library part Resistor, "Resistor", Email=razi.vesali@gmail.com, LatestRevisionNote="Re-released for puplic", Published=17-Jun-2016, Publisher="Seyed Razi Vesali"
R37: library part Resistor, "Resistor 0.25w", LatestRevisionDate=17-Jul-2002, LatestRevisionNote="Re-released for DXP Platform.", Publisher="Altium Limited"
R47 R50: library part "RES SMD PACKAGE", "TOTAL SMD RESISTOR PACK", Data=2017-3-10, Desc.="RES SMD PAKAGES", Designer="Abbas Basereh"
R49: library part RES_1K_0603_1%, "Resistor SMD chip 1k Ohm 0.1W 1% 0603", Manufacturer 1=Yageo, Manufacturer Part Number 1=RC0603FR-071KL, Package / Case="0603 (1608 Metric)", Ratings=1/10W, Supplier Part Number 1=311-1.00KHRCT-ND, SCDType=spec, Supplier 1=Digi-Key
R54 R75: library part RES_1K_0603_1%, "Resistor SMD chip 1k Ohm 0.1W 1% 0603", Manufacturer 1=Yageo, Manufacturer Part Number 1=RC0603FR-071KL, Package / Case="0603 (1608 Metric)", Ratings=1/10W, Supplier Part Number 1=311-1.00KHRCT-ND, Tolerance=±1%, SCDType=spec, Supplier 1=Digi-Key
R73 R74: library part "Resistor SMD 2512", "Resistor SMD 2512", ComponentLink1Description="Website Smart World", ComponentLink1URL=https://www.smartw.ir/, ComponentLink2Description=Telegram, ComponentLink2URL=https://t.me/altium_smartw, ComponentLink3Description=Instagram, ComponentLink3URL=https://Instagram.com/smartgw.ir, DatasheetVersion=2021
SP1: library part "PIEZO BUZZER", "PIEZO BUZZER ACTIVE", Comment_1="SPEAKER AND BEEP", ComponentLink2Description=Reference, Design Date=1395/11/14, Designer="Abbas Basereh", Mounting Technology=THD, PackageDescription=THD, Pin Count=2, Publisher="Abbas Basereh", Status=Unreleased
T1: "SMF05 and SMF12  TVS Diode Array  For ESD and Latch-Up Protection"
U1: "Complete single cell Li-Ion battery with a constant current / constant voltage linear charger", Package=Package, Availability="Not in stock", Check_prices=https://www.snapeda.com/parts/TP4056/NanJing+Top+Power+ASIC+Corp./view-part/?ref=eda, MF="NanJing Top Power ASIC Corp.", MP=TP4056, Price=None, SnapEDA_Link=https://www.snapeda.com/parts/TP4056/NanJing+Top+Power+ASIC+Corp./view-part/?ref=snap
U2: "Flash, pin, soic, flash, Memory, Semiconductors and Actives, serial, ic", ComponentLink1Description="Website Smart World", ComponentLink1URL=https://www.smartw.ir/, ComponentLink2Description=Telegram, ComponentLink2URL=https://t.me/altium_smartw, ComponentLink3Description=Instagram, ComponentLink3URL=https://Instagram.com/smartgw.ir, DatasheetVersion=2021
U3: "M66 is an ultra-small quad-band GSM/GPRS module using LCC castellation packaging on the market. Based on the latest 2G chipset, it has the optimal performance in SMS & Data transmission and audio service even in harsh environment.", Package="SMD-52 Quectel", Availability="In Stock", Check_prices=https://www.snapeda.com/parts/M66/Quectel/view-part/?ref=eda, MF=Quectel, MP=M66, Price=None, SnapEDA_Link=https://www.snapeda.com/parts/M66/Quectel/view-part/?ref=snap
U4: "ARM Cortex-M0 32-bit MCU, 64 KB Flash, 8 KB Internal RAM, 55 I/Os, 64-pin LQFP, -40 to 85 degC, Tray", ComponentLink1Description="Website: Tarahiboard", ComponentLink1URL=https://www.tarahiboard.com
UP1: library part AMS1117-x.x, "x.x Volt, 800mA Low-Dropout Linear Regulator, 4-pin SOT-223", Data=16-12-2016, Designer="Ali Hafizi"
UP2: library part MP3429, "16VOUT, 21A, High-Efficiency,  Fully Integrated, Synchronous,  Boost Converter"
UP3: "x.x Volt, 800mA Low-Dropout Linear Regulator, 4-pin SOT-223", Data=16-12-2016, Designer="Abbas Basereh"
VR1: library part "VARISTOR (VDR)", "VARISTORS", Manufacturer=china-canada-philipina, Data=2017-1-5, Designer="Abbas Basereh", Link=digikey.com, Models=MOV-VDR-COV, Publisher="ABBAS BASEREH"
X1: library part "Crystal 2 PIN", "Crystal, 32.768KHz, 9pF, 20PPM", ComponentLink1Description="Website Smart World", ComponentLink1URL=https://www.smartw.ir/, ComponentLink2Description=Telegram, ComponentLink2URL=https://t.me/altium_smartw, ComponentLink3Description=Instagram, ComponentLink3URL=https://Instagram.com/smartgw.ir, DatasheetVersion=2021
Y1: library part XTAL_Crystal, "XTAL Crystal", ComponentLink1Description=Datasheet, ComponentLink2Description=Reference, Design Date=2017-1-3, Designer="ABBAS BASEREH", Mounting Technology="Surface Mount\Through-Hole", Status=Unreleased
D24: ComponentLink1Description=Tarahiboard, ComponentLink1URL=https://www.tarahiboard.com/product/library-pack, DatasheetVersion=2022
JP1 JP2 JP5 JP6 JP7 JP8: Company=E.P.I.L, Defualt State=Close, Design Date=2011/11/02
P8 P9: ComponentLink1Description="Website Smart World", ComponentLink1URL=https://www.smartw.ir/, ComponentLink2Description=Telegram, ComponentLink2URL=https://t.me/altium_smartw, ComponentLink3Description=Instagram, ComponentLink3URL=https://Instagram.com/smartgw.ir, ComponentLinkp-URL=https://www.smartw.ir/, DatasheetVersion=2021
SIM1: Deigner="Ali Hafizi"
VR2: Email=Razi.vesali@gmail.com, LatestRevisionDate=17-Jul-2016, LatestRevisionNote="Re-released for Puplic", Publisher="Seyed Razi vesali (SRV)"

## Free pads (board coordinates)
  round 1.524 hole 3: 26(1.5,3.302) 27(128.5,100.3) 28(1.5,100.302) 29(128.512,3.302)

## Via types
v1: diameter 0.4, hole 0.4, Top Layer to Bottom Layer, tented both sides, 549 vias
v2: diameter 0.8, hole 0.5, Top Layer to Bottom Layer, tented both sides, 237 vias
v3: diameter 0.7, hole 0.4, Top Layer to Bottom Layer, tented both sides, 91 vias
v4: diameter 0.5, hole 0.5, Top Layer to Bottom Layer, tented both sides, 12 vias
v5: diameter 0.4, hole 0.25, Top Layer to Bottom Layer, tented both sides, 1 vias
v6: diameter 0.4, hole 0.3, Top Layer to Bottom Layer, tented both sides, 1 vias

## Nets (pads, with @x,y where several pads share a name; then routed paths per layer and width w, separated by ;. In a path a pad name is that pad's centre, name@x,y a point inside that pad or via, vN(x,y) a via of type N, cw(c..) or ccw(c..) an arc to the next point about the centre after c; other vN are vias at no path point)
3429_EN: Q1.3 R10.2 UP2.11 | length 8.5
  Top Layer w0.279: R10.2@80.859,48.082 R10.2@80.927,48.082 ; UP2.11@82.636,50.267 82.623,50.254 82.623,49.124 82.321,48.822 81.514,48.822 81.182,48.491 81.182,48.338 R10.2@80.927,48.082 ; Q1.3@85.42,48.091 83.87,48.091 83.122,47.342 81.699,47.342 80.959,48.082 R10.2@80.927,48.082
3429_MODE: JP1.1 JP2.2 UP2.10 | length 24.2
  Top Layer w0.279: v2(73.838,55.961) 73.838,59.614 76.454,62.23 JP1.1@76.454,62.357 ; UP2.10@82.136,50.267 82.136,50.817 82.331,51.013 84.573,51.013 v2@84.684,50.902
  Bottom Layer w0.279: v2@73.889,56.083 80.26,56.083 83.482,52.861 83.482,52 v2(84.654,50.828)
3429_VDD: C15.2 R14.2 UP2.2 | length 18.9
  Top Layer w0.279: R14.2@75.401,66.091 76.321,66.091 76.514,65.897 76.514,65.667 78.271,63.911 80.742,63.911 v2@82.499,62.154 ; v2(80.852,58.92) 80.852,58.116 81.437,57.531 C15.2@81.454,57.531 82.039,56.946 82.22,56.946 83.636,55.53 UP2.2@83.636,54.067
  Bottom Layer w0.279: v2@80.797,58.953 81.47,59.626 81.47,60.522 82.337,61.389 v2(82.337,62.224)
4462_EN: PS1.2 R2.1 R4.2 | length 7.9
  Top Layer w0.508: R2.1@100.381,73.177 100.127,73.177 99.593,73.711 99.593,75.895 100.178,76.479 101.276,76.479 101.422,76.625 101.422,76.86 PS1.2@103.799,76.86